# Altium PCB PrototypeSingle.PcbDoc (part 1 of 3) (continued)
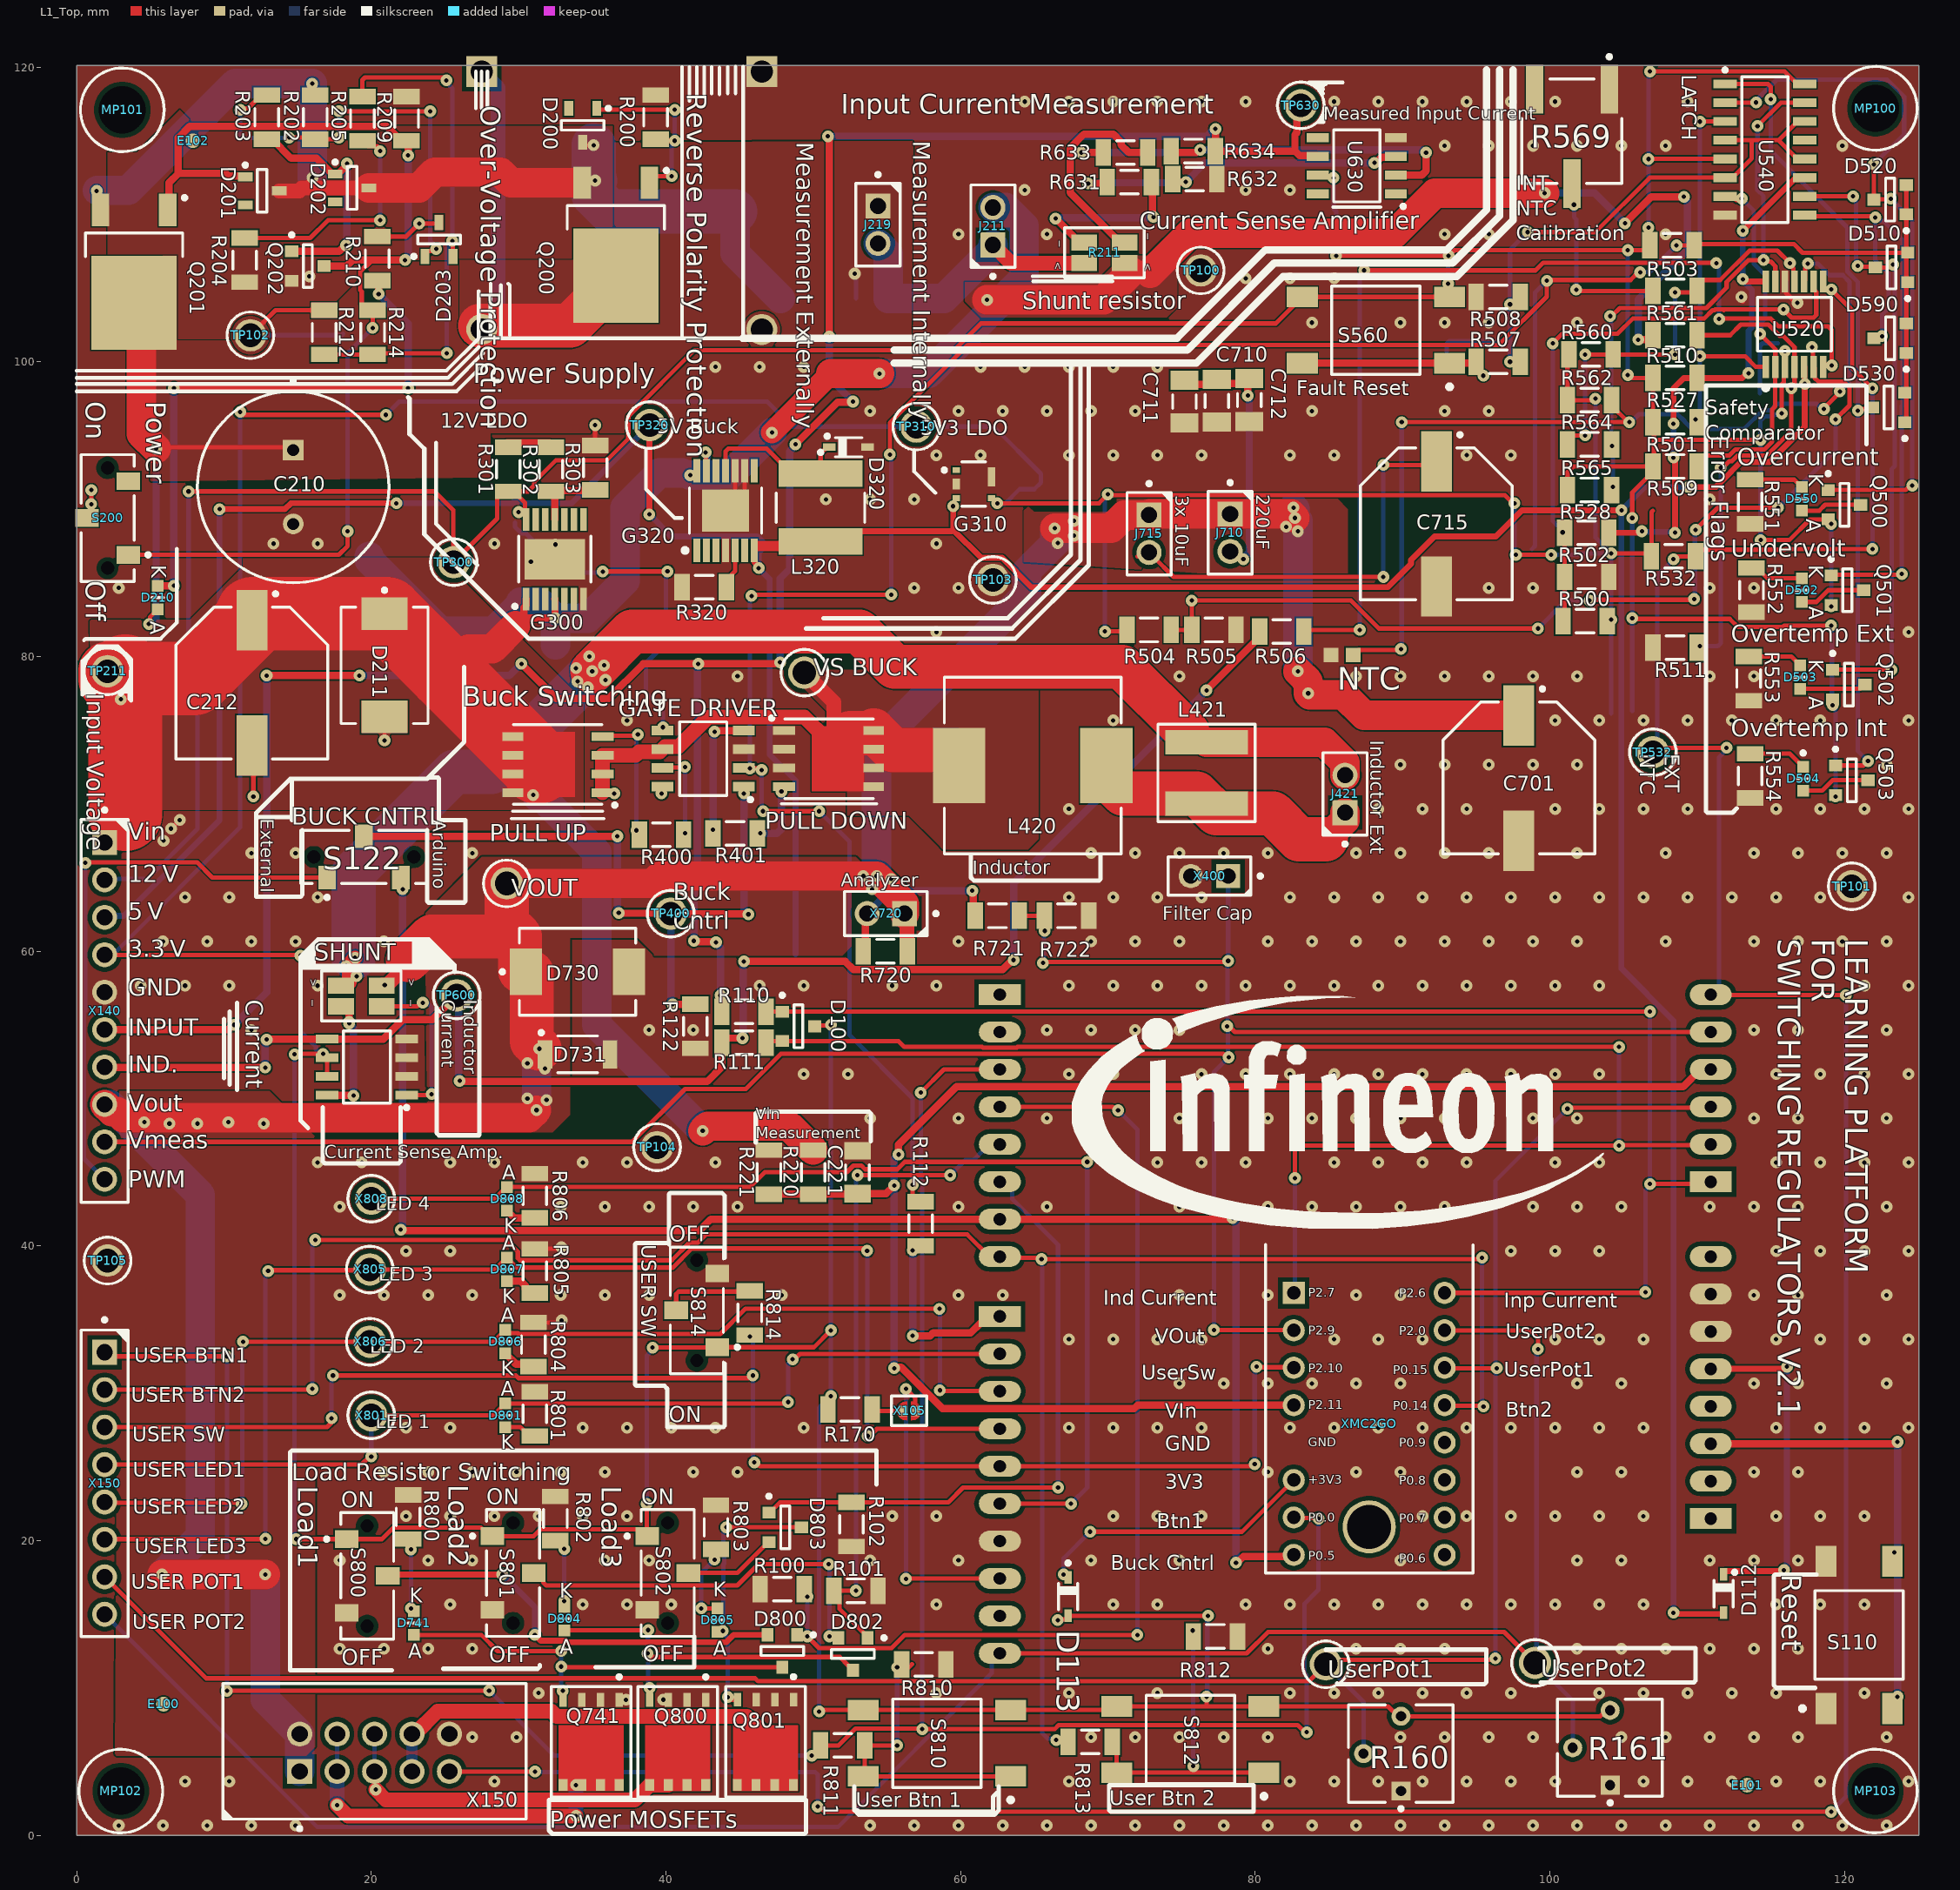
[diagram p0: L1_Top view]
## Components (designator, comment, footprint, x,y, rotation, side; value= is the part's Value field where it differs from the comment)
C210 "1mF" CAPPRD500W60D1300H2700B 14.701,91.499 r270 top
C212 "220uF" CAPAE1030X1050N-3 11.901,78.199 r270 top
C213 "10uF" CAPC3216X190N-1 21.301,86.799 r180 bottom
C220 "100nF" CAPC3216X125N-0 2.101,75.199 r270 bottom
C221 "1nF" CAPC3216X95N 53.001,44.999 r270 top
C300 "100nF" CAPC3216X125N-0 28.7,83.7 r0 bottom
C301 "2.2uF" CAPC3216X70N 28.301,89.099 r0 bottom
C310 "100nF" CAPC3216X125N-0 60.301,88.949 r90 bottom
C311 "2.2uF" CAPC3216X70N 62.701,88.899 r90 bottom
C312 "2.2uF" CAPC3216X70N 64.001,92.099 r0 bottom
C320 "100nF" CAPC3216X125N-0 41.101,93.899 r270 bottom
C321 "10uF" CAPC3216X190N-1 43.501,93.849 r270 bottom
C324 "10uF" CAPC3216X190N-1 48.1,87.4 r180 bottom
C400 "100nF" CAPC3216X125N-0 39.801,76.799 r270 bottom
C401 "100nF" CAPC3216X125N-0 17.001,51.429 r90 bottom
C402 "100nF" CAPC3216X125N-0 38.301,70.599 r0 bottom
C404 "10uF" CAPC3216X190N-1 31.301,68.999 r90 bottom
C500 "100nF" CAPC3216X125N-0 94.451,99.799 r180 bottom
C505 "100nF" CAPC3216X125N-0 117.413,102.449 r270 bottom
C506 "2.2uF" CAPC3216X70N 120.951,99.699 r180 bottom
C520 "100nF" CAPC3216X125N-0 114.013,101.249 r180 bottom
C521 "1nF" CAPC3216X95N 115.913,96.849 r90 bottom
C522 "1nF" CAPC3216X95N 117.813,96.899 r90 bottom
C530 "100nF" CAPC3216X125N-0 114.263,103.549 r0 bottom
C533 "100nF" CAPC3216X125N-0 120.713,104.649 r180 bottom
C540 "100nF" CAPC3216X125N-0 112.813,97.849 r0 bottom
C560 "100nF" CAPC3216X125N-0 115.913,107.749 r270 bottom
C561 "100nF" CAPC3216X125N-0 117.813,108.199 r270 bottom
C630 "100nF" CAPC3216X125N-0 84.301,110.999 r90 bottom
C700 "10uF" CAPC3216X190N-1 20.801,56.159 r90 bottom
C701 "220uF" CAPAE1030X1050N-3 97.9,71.75 r270 top
C710 "10uF" CAPC3216X190N-1 77.401,97.349 r90 top
C711 "10uF" CAPC3216X190N-1 75.201,97.299 r90 top
C712 "10uF" CAPC3216X190N-1 79.601,97.399 r90 top
C715 "220uF" CAPAE1030X1050N-3 92.301,88.999 r270 top
C811 "100nF" CAPC3216X125N-0 52,6.1 r180 bottom
C813 "100nF" CAPC3216X125N-0 68.8,6.5 r180 bottom
C814 "100nF" CAPC3216X125N-0 45.7,35.45 r270 bottom
"Current Sense Amp." "TSC2010HYDT" SOIC127P600X175-8N-16 19.701,52.134 r180 top (schematic designator U421)
D100 "BAT54-05" SOT95P240X110-3N-1-V 49.001,54.899 r0 top
D112 "BAS3010A-03W" SOD2513X110N 111.8,16.4 r270 top
D113 "BAS3010A-03W" SOD2513X110N 67.3,16.2 r270 top
D200 "12V" SOT95P230X110-3N 34.351,116.049 r270 top
D201 "12V" SOT95P230X110-3N 12.6,111.6 r0 top
D202 "12V" SOT95P230X110-3N 18.7,111.8 r0 top
D203 "ATL431AQDBZR" SOT95P237X112-3N-1 24.6,108.3 r90 top
D210 "Red" LEDSC160X80X80-2N-1 5.501,83.999 r270 top
D211 "SMDJ20A" DIOM7959X262N 20.901,79.399 r270 top
D320 "BAS3010A-03W" SOD2513X110N 52.401,94.199 r0 top
D502 "Red" LEDSC160X80X80-2N-1 117.101,84.499 r270 top
D503 "Red" LEDSC160X80X80-2N-1 117.001,78.599 r270 top
D504 "Red" LEDSC160X80X80-2N-1 117.201,71.699 r270 top
D510 "BAT54-05" SOT95P240X110-3N-1-V 123.201,106.399 r180 top
D520 "BAT54-05" SOT95P240X110-3N-1-V 123.101,110.999 r180 top
D530 "BAT54-05" SOT95P240X110-3N-1-V 123.001,96.899 r180 top
D550 "Red" LEDSC160X80X80-2N-1 117.101,90.699 r270 top
D590 "BAT54-05" SOT95P240X110-3N-1-V 123.101,101.599 r180 top
D730 "SMC5K40A-M3/I" DIOM7959X262N 34.001,58.599 r0 top
D731 "PMEG6030ETPX" SODFL4725X110N 34.001,52.999 r0 top
D741 "Red" LEDSC160X80X80-2N-1 22.9,14.4 r270 top
D800 "BAT54-05" SOT95P240X110-3N-1-V 47.9,12.5 r270 top
D801 "Red" LEDSC160X80X80-2N-1 29.1,28.5 r90 top
D802 "BAT54-05" SOT95P240X110-3N-1-V 52.7,12.3 r270 top
D803 "BAT54-05" SOT95P240X110-3N-1-V 48.1,20.9 r0 top
D804 "Red" LEDSC160X80X80-2N-1 33.1,14.7 r270 top
D805 "Red" LEDSC160X80X80-2N-1 43.5,14.6 r270 top
D806 "Red" LEDSC160X80X80-2N-1 29.1,33.5 r90 top
D807 "Red" LEDSC160X80X80-2N-1 29.2,38.4 r90 top
D808 "Red" LEDSC160X80X80-2N-1 29.2,43.2 r90 top
E100 "" fiducial 5.9,8.9 r270 top
E101 "" fiducial 113.4,3.4 r0 top
E102 "" fiducial 7.901,114.999 r180 top
G300 "TLT807B0EPV" SOP65P600X115-15N 32.451,86.599 r90 top
G310 "TLE4295G V33" IFX-PG-SCT595-5-2 60.901,91.699 r0 top
G320 "TLF50211EL" SOP65P600X170-15N 44.051,89.899 r90 top
"GATE DRIVER" "Value" SOIC127P600X172-8N-1-V 42.536,73.064 r180 top value=2ED2184S06F (schematic designator U400)
J211 "61300211121" CON-M-THT-61300211121 62.2,109.2 r90 top
J219 "61300211121" CON-M-THT-61300211121 54.4,109.3 r270 top
J421 "61300211121" CON-M-THT-61300211121 86.1,70.67 r90 top
J710 "61300211121" CON-M-THT-61300211121 78.3,88.4 r270 top
J715 "61300211121" CON-M-THT-61300211121 72.8,88.33 r270 top
L320 "22uH" IND-SMD-74404064220 50.501,90.099 r270 top
L420 "27uH" INDM120120X1000N 64.901,72.599 r0 top
L421 "15uH" IND-SMD-SRP6060FA 76.7,72.1 r90 top
MP100 "0082 3 16" "SCREW_0082 3 16_NPTH" 122.101,117.199 r180 top
MP101 "0082 3 16" "SCREW_0082 3 16_NPTH" 3.101,117.099 r0 top
MP102 "0082 3 16" "SCREW_0082 3 16_NPTH" 3,3 r0 top
MP103 "0082 3 16" "SCREW_0082 3 16_NPTH" 122.1,3 r0 top
NTC "10k" RESC1608X95N-1 85.9,80.1 r0 top (schematic designator R563)
"PULL DOWN" "igfet_n_ch_enh_dio_1s2s3s4g5d6d7d8d_8p" INF-PG-PQFN-5X6BEG 51.056,73.064 r0 top value=IRFH5406TRPbF (schematic designator Q401)
"PULL UP" "igfet_n_ch_enh_dio_1s2s3s4g5d6d7d8d_8p" INF-PG-PQFN-5X6BEG 32.656,72.664 r180 top value=IRFH5406TRPbF (schematic designator Q400)
Q200 "IPD650P06NM" TO228P998X250-3N-V2 36.601,108.999 r270 top
Q201 "IPD650P06NM" TO228P998X250-3N-V2 3.9,107.15 r270 top
Q202 "ISS17EP06LM" SOT95P240X110-3N-1-V 15.7,106.5 r0 top
Q500 "ISS17EP06LM" SOT95P240X110-3N-1-V 120.001,90.299 r0 top
Q501 "ISS17EP06LM" SOT95P240X110-3N-1-V 120.201,84.499 r0 top
Q502 "ISS17EP06LM" SOT95P240X110-3N-1-V 120.301,78.099 r0 top
Q503 "ISS17EP06LM" SOT95P240X110-3N-1-V 120.501,71.599 r0 top
Q741 "igfet_n_ch_enh_dio_1s2s3s4g5d6d7d8d_8p" IFX-PG-TDSON-8-6-V 34.923,6.3 r270 top value=BSC0906NS
Q800 "igfet_n_ch_enh_dio_1s2s3s4g5d6d7d8d_8p" IFX-PG-TDSON-8-6-V 40.8,6.3 r270 top value=BSC0906NS
Q801 "igfet_n_ch_enh_dio_1s2s3s4g5d6d7d8d_8p" IFX-PG-TDSON-8-6-V 46.758,6.306 r270 top value=BSC0906NS
R100 "100k" RESC3216X60N 47.9,16.7 r180 top
R101 "100k" RESC3216X60N 52.9,16.6 r0 top
R102 "100k" RESC3216X60N 52.6,21.1 r270 top
R110 "47k" RESC3216X60N 45.301,55.899 r180 top
R111 "47k" RESC3216X60N 45.301,53.799 r180 top
R112 "47k" RESC3216X60N 57.3,41.5 r270 top
R122 "100k" RESC3216X60N 42,54.9 r270 top
R160 "10k" POT-THT-3362P 88.63,5.54 r90 top
R161 "10k" POT-THT-3362P 102.83,5.94 r90 top
R170 "20.5R" RESC3216X60N 52.5,28.9 r180 top
R200 "47k" RESC3216X60N 39.301,116.599 r270 top
R202 "47k" RESC3216X60N 16.201,116.599 r90 top
R203 "47k" RESC3216X60N 12.901,116.599 r90 top
R204 "100k" RESC3216X60N 11.4,106.9 r90 top
R205 "47k" RESC3216X60N 19.401,116.499 r270 top
R209 "47k" RESC3216X60N 22.401,116.499 r270 top
R210 "17.8k" RESC3216X60N 20.4,107 r90 top
R211 "15mR" RES-SMD-L4T12 69.775,107.4 r180 top
R212 "17.8k" RESC3216X60N 16.801,101.999 r90 top
R214 "1MEG" RESC3216X60N 20.101,101.999 r90 top
R219 "PMR18EZPJV1L0" RESC3216X59N 54,104.3 r0 bottom
R220 "17.8k" RESC3216X60N 50.001,44.999 r270 top
R221 "2.2k" RESC3216X60N 47.001,44.999 r90 top
R301 "17.8k" RESC3216X60N 29.301,92.699 r90 top
R302 "2.2k" RESC3216X60N 32.201,92.699 r90 top
R303 "2.2k" RESC3216X60N 35.201,92.809 r270 top
R320 "47k" RESC3216X60N 42.601,84.699 r180 top
R400 "20.5R" RESC3216X60N 39.701,67.899 r0 top
R401 "20.5R" RESC3216X60N 44.701,67.999 r180 top
R500 "4.7k" RESC3216X60N 102.401,82.399 r0 top
R501 "4.7k" RESC3216X60N 108.501,95.899 r180 top
R502 "4.7k" RESC3216X60N 102.501,85.399 r180 top
R503 "4.7k" RESC3216X60N 108.301,107.899 r180 top
R504 "17.8k" RESC3216X60N 72.801,81.799 r180 top
R505 "64.9k" RESC3216X60N 77.201,81.799 r180 top
R506 "100k" RESC3216X60N 81.801,81.699 r0 top
R507 "100k" RESC3216X60N 96.501,99.999 r180 top
R508 "2.2k" RESC3216X60N 96.501,104.399 r180 top
R509 "4.7k" RESC3216X60N 108.501,92.899 r180 top
R510 "17.8k" RESC3216X60N 108.501,101.799 r0 top
R511 "17.8k" RESC3216X60N 108.501,80.599 r0 top
R527 "4.7k" RESC3216X60N 108.501,98.899 r180 top
R528 "100k" RESC3216X60N 102.501,88.399 r180 top
R532 "4.7k" RESC3216X60N 108.401,86.799 r180 top
R551 "17.8k" RESC3216X60N 113.601,90.499 r270 top
R552 "17.8k" RESC3216X60N 113.701,84.499 r90 top
R553 "17.8k" RESC3216X60N 113.501,78.499 r90 top
R554 "17.8k" RESC3216X60N 113.601,71.899 r270 top
R560 "17.8k" RESC3216X60N 102.801,100.499 r0 top
R561 "4.7k" RESC3216X60N 108.501,104.799 r0 top
R562 "4.7k" RESC3216X60N 102.701,97.399 r180 top
R564 "47k" RESC3216X60N 102.701,94.399 r180 top
R565 "4.7k" RESC3216X60N 102.701,91.299 r180 top
R569 "10k" POT-SMD-3361P 101.501,115.299 r270 top
R631 "1.3k" RESC3216X60N 71.461,112.2 r180 top
R632 "64.9k" RESC3216X60N 75.9,112.4 r0 top
R633 "1.3k" RESC3216X60N 71.2,114.2 r180 top
R634 "64.9k" RESC3216X60N 75.8,114.3 r0 top
R720 "20.5R" RESC3216X60N 54.9,60 r0 top
R721 "17.8k" RESC3216X60N 62.501,62.399 r180 top
R722 "2.2k" RESC3216X60N 67.2,62.4 r0 top
R800 "2.2k" RESC3216X60N 22.5,21.6 r90 top
R801 "2.2k" RESC3216X60N 31.1,28.6 r90 top
R802 "2.2k" RESC3216X60N 32.5,21.5 r90 top
R803 "2.2k" RESC3216X60N 43.4,20.9 r90 top
R804 "2.2k" RESC3216X60N 31,33.3 r90 top
R805 "2.2k" RESC3216X60N 31.1,38.3 r90 top
R806 "2.2k" RESC3216X60N 31.1,43.4 r90 top
R810 "4.7k" RESC3216X60N 57.5,11.6 r0 top
R811 "64.9k" RESC3216X60N 52,6.1 r180 top
R812 "4.7k" RESC3216X60N 77.3,13.5 r0 top
R813 "64.9k" RESC3216X60N 68.8,6.336 r180 top
R814 "17.8k" RESC3216X60N 45.7,35.45 r270 top
S110 "1301.9314" SW-SMD-1301.9314 121,13.6 r90 top
S122 "CL-SB-12A-01T" SW-SMD-CL-SB-12A-01T 19.501,66.399 r90 top
S200 "CL-SB-12A-01T" SW-SMD-CL-SB-12A-01T 2.101,89.399 r180 top
S560 "1301.9314" SW-SMD-1301.9314 88.201,102.149 r180 top
S800 "CL-SB-12A-01T" SW-SMD-CL-SB-12A-01T 19.723,17.6 r0 top
S801 "CL-SB-12A-01T" SW-SMD-CL-SB-12A-01T 29.623,17.8 r0 top
S802 "CL-SB-12A-01T" SW-SMD-CL-SB-12A-01T 40.123,17.8 r0 top
S810 "1301.9314" SW-SMD-1301.9314 58.4,6.25 r180 top
S812 "1301.9314" SW-SMD-1301.9314 75.6,6.5 r180 top
S814 "CL-SB-12A-01T" SW-SMD-CL-SB-12A-01T 42.1,35.623 r180 top
SHUNT "15mR" RES-SMD-L4T12 19.326,56.959 r0 top (schematic designator R420)
TP100 "5011" CON-THT-TP-5011 76.301,106.199 r90 top
TP101 "5011" CON-THT-TP-5011 120.5,64.4 r180 top
TP102 "5011" CON-THT-TP-5011 11.8,101.8 r0 top
TP103 "5011" CON-THT-TP-5011 62.201,85.199 r270 top
TP104 "5011" CON-THT-TP-5011 39.4,46.7 r270 top
TP105 "5011" CON-THT-TP-5011 2.1,39 r90 top
TP211 "5010" CON-THT-TP-5010 2.101,78.999 r270 top
TP300 "5010" CON-THT-TP-5010 25.6,86.4 r90 top
TP310 "5010" CON-THT-TP-5010 57.001,95.599 r90 top
TP320 "5010" CON-THT-TP-5010 38.901,95.699 r90 top
TP400 "5010" CON-THT-TP-5010 40.331,62.549 r270 top
TP532 "5010" CON-THT-TP-5010 107.001,73.499 r90 top
TP600 "5010" CON-THT-TP-5010 25.801,56.999 r90 top
TP630 "5010" CON-THT-TP-5010 83.101,117.399 r90 top
U520 "LM339PWR" SOP65P640X120-14N-1 116.613,102.549 r90 top
U540 "HEF4043BT,653" SOIC127P600X175-16N-6 114.601,114.399 r0 top
U630 "OPA197IDR" SOIC127P600X175-8N-23 86.901,113.299 r180 top
UserPot1 "5010" CON-THT-TP-5010 84.8,11.6 r180 top (schematic designator TP160)
UserPot2 "5010" CON-THT-TP-5010 99,11.7 r90 top (schematic designator TP161)
VOUT "5010" CON-THT-TP-5010 29.201,64.599 r0 top (schematic designator TP431)
"VS BUCK" "5010" CON-THT-TP-5010 49.401,78.899 r0 top (schematic designator TP401)
X100 "973 582-101" "CON-THT-973 582- 101" 27.501,110.949 r270 bottom
X101 "973 582-100" "CON-THT-973 582- 100" 46.509,110.941 r270 bottom
X105 "Solder Jumper 2 Pins" SOLDER_BRIDGE_0.7X1.299PAD 56.517,28.8 r180 top
X110 "Arduino-Uno" Arduino-Uno 86.8,34.7 r90 bottom locked
X140 "TSW-110-07-L-S" CON-M-THT-TSW-110-07-L-S 1.901,55.949 r270 top
X150 "TSW-108-07-L-S" CON-M-THT-TSW-108-07-L-S 1.9,23.89 r270 top
X150 "61201021621" CON-M-THT-61201021621 20.223,5.6 r90 top (schematic designator 190)
X400 "SSW-102-01-G-S" CON-F-THT-SSW-102-01-G-S 76.9,65.1 r180 top
X720 "61300211121" CON-M-THT-61300211121 54.931,62.549 r180 top
X801 "5010" CON-THT-TP-5010 20,28.5 r0 top
X805 "5010" CON-THT-TP-5010 19.9,38.4 r0 top
X806 "5010" CON-THT-TP-5010 19.9,33.5 r0 top
X808 "5010" CON-THT-TP-5010 20,43.2 r0 top
XMC2GO "IFX_KIT_XMC_2GO_XMC1100_V1" IFX-THT-KIT_XMC_2GO_XMC1100_V1 86.8,32.5 r0 top

## Footprints (in the part's own frame and the unit in brackets; to place one, negate y for a bottom-side part, rotate by r counter-clockwise, add the part's x,y. Pads: shape width x height; smd on the part's side, far side on the other; paste and mask are expansions set on the pad)
Arduino-Uno [mm] "Arduino-Uno, THT, 32 Pin, 68.58 mm L X 53.34 mm W X 8.64 mm H body"
  rect 1.422x2.845 hole 0.85 paste+0 mask+0: 1A(-13.208,24.13) 1B(9.652,24.13) 1C(0.508,-24.13) 1D(22.352,-24.13)
  oval 1.422x2.845 hole 0.85 paste+0 mask+0: 2A(-10.668,24.13) 2B(12.192,24.13) 2C(-2.032,-24.13) 2D(19.812,-24.13) 3A(-8.128,24.13) 3B(14.732,24.13) 3C(-4.572,-24.13) 3D(17.272,-24.13) 4A(-5.588,24.13) 4B(17.272,24.13) 4C(-7.112,-24.13) 4D(14.732,-24.13) 5A(-3.048,24.13) 5B(19.812,24.13) 5C(-9.652,-24.13) 5D(12.192,-24.13) 6A(-0.508,24.13) 6B(22.352,24.13) 6C(-12.192,-24.13) 6D(9.652,-24.13) 7A(2.032,24.13) 7C(-14.732,-24.13) 7D(7.112,-24.13) 8A(4.572,24.13) 8C(-17.272,-24.13) 8D(4.572,-24.13) 9C(-19.812,-24.13) 10C(-22.352,-24.13)
CAPAE1030X1050N-3 [mm] "Capacitor,Aluminum Electrolytic;10.30mm L X 10.30mm W X 10.50mm H"
  rect 4.1x2.1 smd paste+0 mask+0: 1(-4.25,0) 2(4.25,0)
  silkscreen extent -6.17,-5.15 5.15,5.15, body extent -5.5,-5.15 5.5,5.15, height 10.5
CAPC3216X70N [mm] "Capacitor,non-polarized,Chip;3.20mm L X 1.60mm W X 0.70mm H"
  rect 1.2x1.8 smd paste+0 mask+0: 1(-1.45,0) 2(1.45,0)
  silkscreen extent -0.5,-0.8 0.5,0.8, body extent -1.6,-0.8 1.6,0.8, height 0.7
CAPC3216X95N [mm] "Capacitor,non-polarized,Chip;3.20mm L X 1.60mm W X 0.95mm H"
  rect 1.2x1.8 smd paste+0 mask+0: 1(-1.45,0) 2(1.45,0)
  silkscreen extent -0.5,-0.8 0.5,0.8, body extent -1.6,-0.8 1.6,0.8, height 0.95
CAPC3216X125N-0 [mm] "Capacitor,non-polarized,Chip;3.20mm L X 1.60mm W X 1.25mm H"
  rect 1.2x1.8 smd paste+0 mask+0: 1(-1.45,0) 2(1.45,0)
  silkscreen extent -0.5,-0.8 0.5,0.8, body extent -1.6,-0.8 1.6,0.8, height 1.25
CAPC3216X190N-1 [mm] "Capacitor,non-polarized,Chip;3.20mm L X 1.60mm W X 1.90mm H"
  rect 1.3x1.9 smd paste+0 mask+0: 1(-1.45,0) 2(1.45,0)
  silkscreen extent -0.45,-0.8 0.45,0.8, body extent -1.6,-0.8 1.6,0.8, height 1.9
CAPPRD500W60D1300H2700B [mm] "Capacitor,polarized,Radial;5.00mm C X 0.60mm W 13.00mm Dia X 27.00mm H"
  rect 1.4x1.4 hole 0.8 mask+0: 1(-2.5,0)
  round 1.4 hole 0.8 mask+0: 2(2.5,0)
  silkscreen extent -7.27,-6.5 6.5,6.5, body extent -6.75,-6.75 6.75,6.75, height 27
CON-F-THT-SSW-102-01-G-S [mm] "Header, THT, 2.54mm pitch, 2 pin, 5.59mm L X 2.41mm W X 8.64mm H body"
  rect 1.64x1.64 hole 1.04 paste+0 mask+0: 1(-1.27,0)
  round 1.64 hole 1.04 paste+0 mask+0: 2(1.27,0)
  silkscreen extent -3.58,-1.3 2.8,1.3, body extent -2.79,-1.21 2.79,1.21, height 8.51
CON-M-THT-61201021621 [mm] "Connector, THT, 2.54mm Pitch; 10 Pins, 9.10 mm L X 20.36 mm W X 9.25 mm H body"
  rect 1.7x1.7 hole 1.1 paste+0 mask+0: 1(-1.27,5.08)
  round 1.7 hole 1.1 paste+0 mask+0: 2(1.27,5.08) 3(-1.27,2.54) 4(1.27,2.54) 5(-1.27,0) 6(1.27,0) 7(-1.27,-2.54) 8(1.27,-2.54) 9(-1.27,-5.08) 10(1.27,-5.08)
  silkscreen extent -5.27,-10.3 4.7,10.3, body extent -4.46,-10.18 4.71,10.18, height 9.1
CON-M-THT-61300211121 [mm] "Header, Vertical, 2.54mm Pitch; 2 Pins, Single row, 5.08mm L X 2.54mm W X 8.89mm H body"
  rect 1.7x1.7 hole 1.1 paste+0 mask+0: 1(-1.27,0)
  round 1.7 hole 1.1 paste+0 mask+0: 2(1.27,0)
  silkscreen extent -3.52,-1.5 2.8,1.5, body extent -2.54,-1.27 2.54,1.27, height 8.54
CON-M-THT-TSW-108-07-L-S [mm] "Header,vertical,2.54mm pitch;0.64mm lead width,8 pins,1 row,8 pins per row,20.32mm L X 2.54mm W X 8.636mm H body"
  rect 1.7x1.7 hole 1.1 paste+0 mask+0: 1(-8.89,0)
  round 1.7 hole 1.1 paste+0 mask+0: 2(-6.35,0) 3(-3.81,0) 4(-1.27,0) 5(1.27,0) 6(3.81,0) 7(6.35,0) 8(8.89,0)
  silkscreen extent -11.21,-1.6 10.4,1.6, body extent -10.29,-1.27 10.16,1.27, height 8.38
CON-M-THT-TSW-110-07-L-S [mm] "Header,vertical,2.54mm pitch;0.64mm lead width,10 pins,1 row,10 pins per row,25.40mm L X 2.54mm W X 8.636mm H body"
  rect 1.7x1.7 hole 1.1 paste+0 mask+0: 1(-11.43,0)
  round 1.7 hole 1.1 paste+0 mask+0: 2(-8.89,0) 3(-6.35,0) 4(-3.81,0) 5(-1.27,0) 6(1.27,0) 7(3.81,0) 8(6.35,0) 9(8.89,0) 10(11.43,0)
  silkscreen extent -13.75,-1.6 13,1.6, body extent -12.83,-1.27 12.7,1.27, height 8.38
"CON-THT-973 582- 100" [mm] "Banana Jack, 2 pins, 17.5mm Pitch, 21mm L X 7.5mm W X 10.5mm H body"
  rect 2.1x2.1 hole 1.5 paste+0 mask+0: 1(-8.75,0)
  round 2.1 hole 1.5 paste+0 mask+0: 2(8.75,0)
  silkscreen extent -9.2,-4.25 11.8,3.75, body extent -9.2,-4.25 11.8,3.75, height 10.5
"CON-THT-973 582- 101" [mm] "Banana Jack, 2 pins, 17.5mm Pitch, 21mm L X 7.5mm W X 10.5mm H body"
  rect 2.1x2.1 hole 1.5 paste+0 mask+0: 1(-8.75,0)
  round 2.1 hole 1.5 paste+0 mask+0: 2(8.75,0)
  silkscreen extent -9.2,-4.25 11.8,3.75, body extent -9.2,-4.25 11.8,3.75, height 10.5
CON-THT-TP-5010 [mm] "Test Point, 1.78 mm Lead Width, Round, 3.17 mm Dia X 8.28 mm H body"
  round 2.2 hole 1.6 paste+0 mask+0: 1(0,0)
  silkscreen extent -1.58,-1.59 1.58,1.59, body extent -1.59,-1.59 1.59,1.59, height 8.13
CON-THT-TP-5011 [mm] "Test Point, 1.78 mm Lead Width, Round, 3.17 mm Dia X 8.28 mm H body"
  round 2.2 hole 1.6 paste+0 mask+0: 1(0,0)
  silkscreen extent -1.58,-1.59 1.58,1.59, body extent -1.59,-1.59 1.59,1.59, height 8.13
DIOM7959X262N [mm] "Diode,Molded Body;7.94mm L X 5.905mm W X 2.62mm H"
  rect 2.2x3.15 smd paste+0 mask+0: 1(-3.5,0) 2(3.5,0)
  silkscreen extent -5.22,-2.95 3.95,2.95, body extent -3.97,-2.95 3.97,2.95, height 2.62
fiducial [mm] "Fiducial Marker For PCB, 1mm"
  round 1 smd paste-0.5 mask+1: 1(0,0)
IFX-PG-SCT595-5-2 [mm] "PG-SCT595-5-2; 5 pin, 1.60 mm L X 2.90 mm W X 1.1 mm H body"
  rect 0.5x0.4 smd paste+0 mask+0: 1(-1.2,0.95) 3(-1.2,-0.95) 4(1.2,-0.95)
  rect 0.5x0.75 smd paste+0 mask+0: 2(-1.2,0)
  rect 0.5x1.3 smd paste+0 mask+0: 5(1.2,0.5)
  silkscreen extent -2.12,-1.5 0.8,1.5, body extent -1.25,-1.45 1.25,1.45, height 1.11
IFX-PG-TDSON-8-6-V [mm] "PG-TDSON-8-6, SMD, 1.27 mm pitch, 8 pin, 5.90 mm W X 5.075 mm L X 1.20 mm H body"
  rect 0.925x0.5 smd paste-0.05 mask+0: 1(-2.894,1.905) 2(-2.894,0.635) 3(-2.894,-0.635) 4(-2.894,-1.905)
  rect 0.8x0.6 smd paste-0.3 mask-0.3: 5(2.894,-1.905) 6(2.894,-0.635) 7(2.894,0.635) 8(2.894,1.905)
  L1_Top region: -1.161,2.205 3.294,2.205 3.294,-2.205 -1.161,-2.205
  silkscreen extent -4.57,-2.7 3.7,2.7, body extent -3.11,-2.69 3.04,2.7, height 1.01
IFX-THT-KIT_XMC_2GO_XMC1100_V1 [mm] "Module, THT, 21 pin, 14.00 mm L X 38.50 mm W X 5.08 mm H body"
  rect 1.5x1.5 hole 0.9 paste+0 mask+0: 1(-4.18,4.31)
  round 1.5 hole 0.9 paste+0 mask+0: 2(-4.18,1.77) 3(-4.18,-0.77) 4(-4.18,-3.31) 6(-4.18,-8.39) 7(-4.18,-10.93) 8(-4.18,-13.47) 9(6.06,-13.47) 10(6.06,-10.93) 11(6.06,-8.39) 12(6.06,-5.85) 13(6.06,-3.31) 14(6.06,-0.77) 15(6.06,1.77) 16(6.06,4.31)
  round 3.6 hole 3 paste+0 mask+0: ""(0.94,-11.57)
  silkscreen extent -6.1,-14.7 8,7.6
IND-SMD-74404064220 [mm] "Inductor; 2 pin, 6.00 mm L X 6.00 mm W X 4.50 mm H Body"
  rect 1.8x5.7 smd mask+0: 1(-2.3,0) 2(2.3,0)
  silkscreen extent -3.87,-3 1,3, body extent -3,-3 3,3, height 4.5
IND-SMD-SRP6060FA [mm] "Inductor, SMD, 2 pin, 6.40 mm L X 6.60 mm W X 6.00 mm H body"
  rect 1.65x5.6 smd paste+0 mask+0: 1(-2.075,0) 2(2.075,0)
  silkscreen extent -3.3,-3.3 3.3,3.3, body extent -3.2,-3.3 3.2,3.3, height 5.86
INDM120120X1000N [mm] "Inductor,Molded Body;12.00mm L X 12.00mm W X 10.00mm H"
  rect 3.55x5.1 smd paste+0 mask+0: 1(-5,0) 2(5,0)
  silkscreen extent -6,-6 6,6, body extent -6,-6 6,6, height 10.36
INF-PG-PQFN-5X6BEG [mm] "Pullback Quad Flat No-Lead (PQFN); 4 pin, 6.00 mm L X 5.00 mm W X 0.90 mm H body"
  rect 1.5x0.6 smd paste-0.3 mask+0: 1(-3.045,1.905) 2(-3.045,0.635) 3(-3.045,-0.635) 4(-3.045,-1.905)
  rect 1.4x0.6 smd paste-0.3 mask+0: 5(3.045,-1.905) 6(3.045,-0.635) 7(3.045,0.635)
  rect 1.4x0.6 smd paste-0.3 mask-0.3: 8(3.045,1.905)
  L1_Top region: 3.745,2.205 -1.15,2.205 -1.15,-2.205 2.395,-2.205 2.395,1.605 3.745,1.605
  silkscreen extent -4,-2.7 3.01,2.88, body extent -3.03,-2.5 2.97,2.5, height 0.9
LEDSC160X80X80-2N-1 [mm] "LED,Side Concave; 2 pin,1.60mm W X 0.80mm L X 0.80mm H"
  rect 0.8x0.8 smd paste+0 mask+0: 1(-0.8,0) 2(0.8,0)
  silkscreen extent 0,-0.4 0,0.4, body extent -0.8,-0.4 0.8,0.4, height 0.7
POT-SMD-3361P [mm] "Potentiometer, SMD; 3 pin, 7.04 mm L X 6.71 mm W X 5.84 mm H Body"
  rect 3.3x1.19 smd paste+0 mask+0: 1(-3.2,2.54) 2(3.2,0) 3(-3.2,-2.54)
  silkscreen extent -5.52,-3.4 3.2,3.4, body extent -4.54,-3.35 3.99,3.35, height 5.23
POT-THT-3362P [mm] "Potentiometer, THT, 2.54 mm pitch, 3 pin, 6.60 mm L X 6.99 mm W X 15.06 mm H body"
  rect 1.29x1.29 hole 0.69 paste+0 mask+0: 1(-2.54,-1.27)
  round 1.29 hole 0.69 paste+0 mask+0: 2(0,1.27) 3(2.54,-1.27)
  silkscreen extent -3.86,-4.8 3.3,2.3, body extent -3.3,-4.8 3.3,2.19, height 14.63
RES-SMD-L4T12 [mm] "Resistor, SMD, 4 pin, 3.00 mm L X 1.60 mm W X 0.65 mm H body"
  rect 1.75x1.1 smd paste+0 mask+0: 1(-1.375,0.7) 2(1.375,0.7) 3(-1.375,-0.7) 4(1.375,-0.7)
  silkscreen extent -2.7,-1.7 2.7,1.7, body extent -1.5,-0.8 1.5,0.8, height 0.65
RESC1608X95N-1 [mm] "Resistor,Chip;1.60mm L X 0.80mm W X 0.95mm H"
  rect 1x1 smd paste+0 mask+0: 1(-0.75,0) 2(0.75,0)
  body extent -0.8,-0.4 0.8,0.4, height 0.95
RESC3216X59N [mm]
  rect 1.85x1.8 smd: 1(-1.1,0) 2(1.1,0)
  body extent -1.6,-0.8 1.6,0.8, height 0.59
RESC3216X60N [mm]
  rect 1.05x1.8 smd paste+0 mask+0: 1(-1.5,0) 2(1.5,0)
  silkscreen extent -0.6,-0.8 0.6,0.8, body extent -1.6,-0.8 1.6,0.8, height 0.55
"SCREW_0082 3 16_NPTH" [mm] "M3 Cheese Head Screw X 5.68mm Head"
  round 0 hole 3.2 unplated paste+0 mask+0: ""(0,0)
  silkscreen extent -2.84,-2.84 2.84,2.84, body extent -2.84,-2.84 2.84,2.84, height 3
SOD2513X110N [mm] "SOD;1.75mm W X 1.30mm L X 1.10mm H body"
  rect 0.85x0.5 smd paste+0 mask+0: 1(-1.3,0) 2(1.3,0)
  silkscreen extent -1.57,-0.65 0.9,0.88, body extent -0.87,-0.65 0.87,0.65, height 1.1
SODFL4725X110N [mm] "SODFL Diode;3.80mm W X 2.5mm L X 1.10mm H body"
  rect 1x1.93 smd paste+0 mask+0: 1(-2.21,0) 2(2.21,0)
  silkscreen extent -2.58,-1.25 1.35,1.59, body extent -2.35,-1.25 2.35,1.25, height 1.1
SOIC127P600X172-8N-1-V [mm] "SOIC,1.27mm pitch;8 pin,3.90mm W X 4.90mm L X 1.72mm H body"
  rect 1.47x0.65 smd paste+0 mask+0: 1(-2.765,1.905) 2(-2.765,0.635) 3(-2.765,-0.635) 4(-2.765,-1.905) 5(2.765,-1.905) 6(2.765,-0.635) 7(2.765,0.635) 8(2.765,1.905)
  silkscreen extent -3.32,-2.5 1.6,2.9, body extent -3,-2.45 3,2.45, height 1.73
SOIC127P600X175-8N-16 [mm] "SOIC,1.27mm pitch;8 pin,3.90mm W X 4.90mm L X 1.75mm H body"
  rect 1.55x0.6 smd paste+0 mask+0: 1(-2.7,1.905) 2(-2.7,0.635) 3(-2.7,-0.635) 4(-2.7,-1.905) 5(2.7,-1.905) 6(2.7,-0.635) 7(2.7,0.635) 8(2.7,1.905)
  silkscreen extent -2.83,-2.45 1.6,2.87, body extent -3,-2.45 3,2.45, height 1.75
SOIC127P600X175-8N-23 [mm] "SOIC,1.27mm pitch;8 pin,3.895mm W X 4.905mm L X 1.75mm H body"
  rect 1.5x0.6 smd paste+0 mask+0: 1(-2.65,1.905) 2(-2.65,0.635) 3(-2.65,-0.635) 4(-2.65,-1.905) 5(2.65,-1.905) 6(2.65,-0.635) 7(2.65,0.635) 8(2.65,1.905)
  silkscreen extent -3.27,-2.45 1.58,2.87, body extent -2.99,-2.45 2.99,2.45, height 1.75
SOIC127P600X175-16N-6 [mm] "SOIC,1.27mm pitch;16 pin,3.90mm W X 9.90mm L X 1.75mm H body"
  rect 1.6x0.6 smd paste+0 mask+0: 1(-2.7,4.445) 2(-2.7,3.175) 3(-2.7,1.905) 4(-2.7,0.635) 5(-2.7,-0.635) 6(-2.7,-1.905) 7(-2.7,-3.175) 8(-2.7,-4.445) 9(2.7,-4.445) 10(2.7,-3.175) 11(2.7,-1.905) 12(2.7,-0.635) 13(2.7,0.635) 14(2.7,1.905) 15(2.7,3.175) 16(2.7,4.445)
  silkscreen extent -2.82,-4.95 1.57,5.52, body extent -3,-4.95 3,4.95, height 1.75
SOLDER_BRIDGE_0.7X1.299PAD [mm] "Solder Bridge 2 Pins, 0.7X1.299mm Pad, 1.6mm L X 1.2mm W body"
  rect 0.58x0.708 smd paste-0.29 mask-0.29: 1(-0.417,0) 2(0.417,0)
  L1_Top region: -0.126,0.639 -0.178,0.65 -0.426,0.6 -0.637,0.459 -0.778,0.249 -0.827,0 -0.778,-0.249 -0.637,-0.459 -0.426,-0.6 -0.178,-0.65 -0.127,-0.639 -0.127,-0.635 -0.127,0.635
  L1_Top region: 0.126,0.639 0.178,0.65 0.426,0.6 0.637,0.459 0.778,0.249 0.827,0 0.778,-0.249 0.637,-0.459 0.426,-0.6 0.178,-0.65 0.127,-0.639 0.127,-0.635 0.127,0.635
  silkscreen extent -1.2,-1.02 1.2,1
SOP65P600X115-15N [mm] "SOP,0.65mm pitch;14 pin,3.90mm W X 4.90mm L X 1.15mm H body (w/thermal tab)"
  rect 1.55x0.45 smd paste+0 mask+0: 1(-2.7,1.95) 2(-2.7,1.3) 3(-2.7,0.65) 4(-2.7,0) 5(-2.7,-0.65) 6(-2.7,-1.3) 7(-2.7,-1.95) 8(2.7,-1.95) 9(2.7,-1.3) 10(2.7,-0.65) 11(2.7,0) 12(2.7,0.65) 13(2.7,1.3) 14(2.7,1.95)
  rect 2.75x4.1 smd paste+0 mask+0: 15(0,0)
  silkscreen extent -3.32,-2.45 1.55,2.82, body extent -3,-2.45 3,2.45, height 1.16
SOP65P600X170-15N [mm] "SOP,0.65mm pitch;14 pin,3.90mm W X 4.90mm L X 1.70mm H body (w/thermal tab)"
  rect 1.6x0.45 smd paste+0 mask+0: 1(-2.7,1.95) 2(-2.7,1.3) 3(-2.7,0.65) 4(-2.7,0) 5(-2.7,-0.65) 6(-2.7,-1.3) 7(-2.7,-1.95) 8(2.7,-1.95) 9(2.7,-1.3) 10(2.7,-0.65) 11(2.7,0) 12(2.7,0.65) 13(2.7,1.3) 14(2.7,1.95)
  rect 2.85x3.2 smd paste+0 mask+0: 15(0,0)
  silkscreen extent -2.85,-2.45 1.55,2.9, body extent -3,-2.45 3,2.45, height 1.71
SOP65P640X120-14N-1 [mm] "SOP,0.65mm pitch;14 pin,4.40mm W X 5.00mm L X 1.20mm H body"
  rect 1.5x0.45 smd paste+0 mask+0: 1(-2.9,1.95) 2(-2.9,1.3) 3(-2.9,0.65) 4(-2.9,0) 5(-2.9,-0.65) 6(-2.9,-1.3) 7(-2.9,-1.95) 8(2.9,-1.95) 9(2.9,-1.3) 10(2.9,-0.65) 11(2.9,0) 12(2.9,0.65) 13(2.9,1.3) 14(2.9,1.95)
  silkscreen extent -4.47,-2.5 1.83,2.5, body extent -3.05,-2.5 3.05,2.5, height 1.21
SOT95P230X110-3N [mm] "SOT,0.95mm pitch;3 pin,1.30mm W X 2.90mm L X 1.10mm H body"
  rect 1x0.6 smd paste+0 mask+0: 1(-1.15,0.95) 2(-1.15,-0.95) 3(1.15,0)
  silkscreen extent -1.27,-1.45 0.33,1.88, body extent -1.15,-1.45 1.15,1.45, height 1.11
SOT95P237X112-3N-1 [mm] "SOT,0.95mm pitch;3 pin,1.30mm W X 2.92mm L X 1.12mm H body"
  rect 1.05x0.6 smd paste+0 mask+0: 1(-1.15,0.95) 2(-1.15,-0.95) 3(1.15,0)
  silkscreen extent -1.27,-1.45 0.3,1.83, body extent -1.18,-1.46 1.18,1.46, height 1.12
SOT95P240X110-3N-1-V [mm] "SOT,0.95mm pitch;3 pin,1.30mm W X 2.90mm L X 1.10mm H body"
  rect 0.9x0.8 smd paste+0 mask+0: 1(-1.1,1) 2(-1.1,-1) 3(1.1,0)
  silkscreen extent -1.22,-1.45 0.3,2.23, body extent -1.21,-1.45 1.19,1.45, height 1.1
SW-SMD-1301.9314 [mm] "SMD Switch , 6.00mm L X 6.00mm W X 4.3mm H body"
  rect 2.1x1.4 smd paste+0 mask+0: 1(-5,2.25) 2(5,2.25) 3(-5,-2.25) 4(5,-2.25)
  silkscreen extent -5.15,-3 3,4, body extent -5,-3 5,3, height 4.3
SW-SMD-CL-SB-12A-01T [mm] "Switch, SMD, 3 Pins, 3.50 mm W X 8.50 mm L X 6.10 mm H body"
  rect 1.6x1.2 smd paste+0 mask+0: 1(-1.4,2.5) 2(1.4,0) 3(-1.4,-2.5)
  round 0 hole 0.9 unplated paste+0 mask+0: ""(0,3.4) ""(0,-3.4)
  silkscreen extent -2.87,-4.3 1.8,4.3, body extent -1.75,-4.25 1.75,4.25, height 5.5
TO228P998X250-3N-V2 [mm] "TO,2.28mm pitch;2 pin,9.98mm L X 6.50mm W X 2.50mm H body"
  rect 2.2x1.2 smd paste-0.05 mask+0: 1(-3.15,2.28) 3(-3.15,-2.28)
  rect 6.4x5.8 smd paste-2.9 mask+0: 2(3.15,0)
  silkscreen extent -4.11,-3.3 0,3.56, body extent -3.94,-3.25 6.04,3.25, height 2.36

## Part data
C210: library part 646789, "CAP / ELCO / 1mF / 35V / 20% / Aluminiumelectrolytic / -40°C to 105°C / 5.00mm C X 0.60mm W 13.00mm Dia X 27.00mm H / - / -", Manufacturer=Kemet, Package Description="Capacitor,polarized,Radial;5.00mm C X 0.60mm W 13.00mm Dia X 27.00mm H", Supplier Part Number 1=2835188, Temperature max=105, Temperature min=-40, Temperature Range=Industrial, Tolerance Neg=20%, Voltage DC (max)=35V, Alternate View=Yes, Application=Standard, Article Number=646789, Automotive Qualified=No, Combined Parameters=TC:Aluminiumelectrolytic;Tol.:-20%/+20%;Vdc:35V, ComponentLink1Description="Vendor WebSite", ComponentLink1URL=http://www.kemet.com, ComponentLink2Description=Datasheet, ComponentLink2URL=http://webnetprod.muc.infineon.com/PCBPortal_Prod/WorkFlows/AltiumComponent/StandardDocumentation?Versionid=646790, ComponentStatus=Released, Manufacturer Order Number=ESY108M035AL4AA, Multible Parts=No, PackageReference=Radial, Part Type=Capacitor, PLMStatus=Active, QuickPick="1mF / 35V / 20% / Aluminiumelectrolytic / Radial", RoHS Compliant=Y, Second Source allowed=Yes, Style=Single, Supplier 1=Farnell, Supplier 2=DigiKey, Supplier 3=Mouser, Supplier Part Number 2=399-6120-ND, Supplier Part Number 3=80-ESY108M035AL4AA, Symbol Type="Capacitor; Single; Polarized; 2 Pins; Pin 1 Positive", Technology=Electrolytic, Tolerance Pos=20%, Type=Polarized, Version Number=V01
C212 C701 C715: library part 699376, "CAP / ELCO / 220uF / 50V / 20% / Aluminiumelectrolytic / -55°C to 105°C / 10.30mm L X 10.30mm W X 10.50mm H / - / -", Manufacturer="Nippon Chemi-Con", Package Description="Capacitor,Aluminum Electrolytic;10.30mm L X 10.30mm W X 10.50mm H", Temperature max=105, Temperature min=-55, Temperature Range=Military, Tolerance Neg=20%, Voltage DC (max)=50V, Alternate View=Yes, Application=Standard, Article Number=699376, Automotive Qualified="AEC Q200", Combined Parameters=TC:Aluminiumelectrolytic;Tol.:-20%/+20%;Vdc:50V, ComponentLink1Description="Vendor WebSite", ComponentLink1URL=http://www.chemi-con.co.jp/e/, ComponentLink2Description=Datasheet, ComponentLink2URL=http://webnetprod.muc.infineon.com/PCBPortal_Prod/WorkFlows/AltiumComponent/StandardDocumentation?Versionid=699377, ComponentStatus=Released, Manufacturer Order Number=EMZL500ARA221MJA0G, Multible Parts=No, PackageReference=EMZL500ARA221MJA0G, Part Type=Capacitor, PLMStatus=Active, QuickPick="220uF / 50V / 20% / Aluminiumelectrolytic / EMZL500ARA221MJA0G", RoHS Compliant=Y, Second Source allowed=Yes, Style=Single, Supplier 1=Farnell, Supplier 2=DigiKey, Supplier 3=Mouser, Supplier Part Number 3=661-EMZL500ARA221MJA, Symbol Type="Capacitor; Single; Polarized; 2 Pins; Pin 1 Positive", Technology=Electrolytic, Tolerance Pos=20%, Type=Polarized, Version Number=V00
C213 C321 C324 C404 C700 C710 C711 C712: library part 648992, "CAP / CERA / 10uF / 50V / 20% / X5R (EIA) / -55°C to 85°C / 1206 (3216) / SMD / -", Manufacturer="Taiyo Yuden", Package Description="Capacitor,non-polarized,Chip;3.20mm L X 1.60mm W X 1.90mm H", Supplier Part Number 1=2779059, Temperature max=85, Temperature min=-55, Temperature Range=Military, Tolerance Neg=20%, Voltage DC (max)=50V, Alternate View=Yes, Application=Standard, Article Number=648992, Automotive Qualified=No, Combined Parameters="TC:X5R (EIA);Tol.:-20%/+20%;Vdc:50V", ComponentLink1Description="Vendor WebSite", ComponentLink1URL=http://www.yuden.co.jp/or/product/, ComponentLink2Description=Datasheet, ComponentLink2URL=http://webnetprod.muc.infineon.com/PCBPortal_Prod/WorkFlows/AltiumComponent/StandardDocumentation?Versionid=648993, ComponentStatus=Released, Manufacturer Order Number=UMK316BBJ106ML-T, Multiple Parts=No, PackageReference="1206 (3216)", Part Type=Capacitor, PLMStatus=Active, QuickPick="10uF / 50V / 20% / X5R (EIA) / 1206 (3216)", RoHS Compliant=Y, Second Source allowed=Yes, Style=Single, Supplier 1=Farnell, Supplier 2=DigiKey, Supplier 3=Mouser, Supplier Part Number 2=587-3248-1-ND, Supplier Part Number 3=963-UMK316BBJ106ML-T, Symbol Type="Capacitor; Single; Standard; 2 Pins", Technology=Ceramic, Tolerance Pos=20%, Type=Standard, Version Number=V00
C220 C300 C310 C320 C400 C401 C402 C500 C505 C520 C530 C533 C540 C560 C561 C630 C811 C813 C814: library part 282874, "CAP / CERA / 100nF / 50V / 10% / X7R (EIA) / -55°C to 125°C / 1206(3216) / SMD / -", Legacy PartNumber=CAP01005660, Manufacturer=MuRata, Package Description="Capacitor,non-polarized,Chip;3.20mm L X 1.60mm W X 1.25mm H", Package Imperial=1206, Package Metric=3216, Temperature max=125, Temperature min=-55, Temperature Range=Military, Tolerance Neg=10%, Voltage DC (max)=50V, Alternate View=Yes, Application=Standard, Article Number=282874, Automotive Qualified=No, Combined Parameters="TC:X7R (EIA);Tol.:-10%/+10%;Vdc:50V", ComponentLink1Description="Vendor WebSite", ComponentLink1URL=http://www.murata.com/, ComponentLink2Description=Datasheet, ComponentLink2URL=http://webnetprod.muc.infineon.com/PCBPortal_Prod/WorkFlows/AltiumComponent/StandardDocumentation?Versionid=282875, ComponentStatus=Released, Legacy DeviceID=CAP01005660, Manufacturer Order Number=GRM31MR71H104KA01, Multiple Parts=No, PackageReference="1206 (3216)", Part Type=Capacitor, PLMStatus=Obsolete, QuickPick="100nF / 50V / 10% / X7R (EIA) / 1206 (3216)", RoHS Compliant=Y, Second Source allowed=Yes, Style=Single, Supplier 1=Farnell, Supplier 2=DigiKey, Supplier 3=Mouser, Symbol Type="Capacitor; Single; Standard; 2 Pins", Technology=Ceramic, Tolerance Pos=10%, Type=Standard, Version Number=V01
C221 C521 C522: library part 280698, "CAP / CERA / 1nF / 50V / 10% / X7R (EIA) / -55°C to 125°C / 1206(3216) / SMD / -", Legacy PartNumber=CAP01005183, Manufacturer=MuRata, Package Description="Capacitor,non-polarized,Chip;3.20mm L X 1.60mm W X 0.95mm H", Package Imperial=1206, Package Metric=3216, Temperature max=125, Temperature min=-55, Temperature Range=Military, Tolerance Neg=10%, Voltage DC (max)=50V, Alternate View=Yes, Application=Standard, Article Number=280698, Automotive Qualified=No, Combined Parameters="TC:X7R (EIA);Tol.:-10%/+10%;Vdc:50V", ComponentLink1Description="Vendor WebSite", ComponentLink1URL=http://www.murata.com/, ComponentLink2Description=Datasheet, ComponentLink2URL=http://webnetprod.muc.infineon.com/PCBPortal_Prod/WorkFlows/AltiumComponent/StandardDocumentation?Versionid=280699, ComponentStatus=Released, Legacy DeviceID=CAP01005183, Manufacturer Order Number=GRM319R71H102KA01, Multiple Parts=No, PackageReference="1206 (3216)", Part Type=Capacitor, PLMStatus=Obsolete, QuickPick="1nF / 50V / 10% / X7R (EIA) / 1206 (3216)", RoHS Compliant=Y, Second Source allowed=Yes, Style=Single, Supplier 1=Farnell, Supplier 2=DigiKey, Supplier 3=Mouser, Symbol Type="Capacitor; Single; Standard; 2 Pins", Technology=Ceramic, Tolerance Pos=10%, Type=Standard, Version Number=V01
C301 C311 C312 C506: library part 279853, "CAP / CERA / 2.2uF / 25V / 10% / X5R (EIA) / -55°C to 85°C / 1206(3216) / SMD / -", Legacy PartNumber=CAP01005015, Manufacturer=MuRata, Package Description="Capacitor,non-polarized,Chip;3.20mm L X 1.60mm W X 0.70mm H", Package Imperial=1206, Package Metric=3216, Temperature max=85, Temperature min=-55, Temperature Range=Military, Tolerance Neg=10%, Voltage DC (max)=25V, Alternate View=Yes, Application=Standard, Article Number=279853, Automotive Qualified=No, Combined Parameters="TC:X5R (EIA);Tol.:-10%/+10%;Vdc:25V", ComponentLink1Description="Vendor WebSite", ComponentLink1URL=http://www.murata.com/, ComponentLink2Description=Datasheet, ComponentLink2URL=http://webnetprod.muc.infineon.com/PCBPortal_Prod/WorkFlows/AltiumComponent/StandardDocumentation?Versionid=279854, ComponentStatus=Released, Legacy DeviceID=CAP01005015, Manufacturer Order Number=GRM316R61E225KA12, Multiple Parts=No, PackageReference="1206 (3216)", Part Type=Capacitor, PLMStatus="Not Recommended For New Designs", QuickPick="2.2uF / 25V / 10% / X5R (EIA) / 1206 (3216)", RoHS Compliant=Y, Second Source allowed=Yes, Style=Single, Supplier 1=Farnell, Supplier 2=DigiKey, Supplier 3=Mouser, Symbol Type="Capacitor; Single; Standard; 2 Pins", Technology=Ceramic, Tolerance Pos=10%, Type=Standard, Version Number=V01
"Current Sense Amp.": library part 687895, "Precision bidirectional current sense amplifier", Manufacturer=STMicroelectronics, Package Description="SOIC,1.27mm pitch;8 pin,3.90mm W X 4.90mm L X 1.75mm H body", Supplier Part Number 1=3864633RL, Temperature max=150, Temperature min=-40, Temperature Range=Automotive, Voltage DC (max)=na, Alternate View=No, Application="Power Electronics", Article Number=687895, Automotive Qualified="AEC Q100", Combined Parameters=Res.:-;Fmax:-, ComponentLink1Description="Vendor WebSite", ComponentLink1URL=http://www.st.com, ComponentLink2Description=Datasheet, ComponentLink2URL=http://webnetprod.muc.infineon.com/PCBPortal_Prod/WorkFlows/AltiumComponent/StandardDocumentation?Versionid=687896, ComponentStatus=Released, Legacy DeviceID=ST_TSC2010HYDT, Manufacturer Order Number=TSC2010HYDT, Multiple Parts=No, PackageReference=SOIC-8, Part Type="Analog Parts", PLMStatus=Active, QuickPick="Amplifier / SOIC-8", RoHS Compliant=Y, Second Source allowed=Yes, Supplier 1=Farnell, Supplier 2=DigiKey, Supplier 3=Mouser, Supplier Part Number 2=497-TSC2010HYDTCT-ND, Supplier Part Number 3=511-TSC2010HYDT, Symbole Type="High Temperature, High Voltage, Precision, Bidirectional Current Sense Amplifier", Type=Amplifier, Version Number=V00
D100 D510 D520 D530 D590 D800 D802 D803: library part 430837, "Silicon Schottky Diode, LS(nH) 1.8, VR 30V", Legacy PartNumber=IFX01401370, Manufacturer="Infineon Technologies", Package Description="SOT,0.95mm pitch;3 pin,1.30mm W X 2.90mm L X 1.10mm H body", Supplier Part Number 1=2725759, Temperature max=150, Temperature min=0, Temperature Range=Military, Voltage DC (max)=na, Application=Standard, Article Number=430837, Automotive Qualified="AEC Q101", Combined Parameters=Vf:800mV;If:200mA;Ur:30V;Ir:2uA;Pmax:230mW, ComponentLink1Description="Vendor WebSite", ComponentLink1URL=https://www.infineon.com/, ComponentLink2Description=Datasheet, ComponentLink2URL=http://webnetprod.muc.infineon.com/PCBPortal_Prod/WorkFlows/AltiumComponent/StandardDocumentation?Versionid=430838, ComponentStatus=Released, Legacy DeviceID=IFX01401370, Manufacturer Order Number=BAT54-05, PackageReference=PG-SOT23-3-11, Part Type=Diode, PLMStatus=Active, QuickPick="Schottky Diode / PG-SOT23-3-11", RoHS Compliant=Y, Second Source allowed=Yes, Style=Dual, Supplier 1=Farnell, Supplier 2=DigiKey, Supplier 3=Mouser, Supplier Part Number 2=BAT5405E6327HTSA1TR-ND, Supplier Part Number 3=726-BAT5405E6327HTSA, Symbol Type="Dual Diode Symbol 3 Pins, 1 Anode, 2 Anode, 3 Cathode", Type="Schottky Diode", Version Number=V01
D112 D113 D320: library part 420617, "Medium Power AF Schottky Diode", Legacy PartNumber=IFX01400145, Manufacturer="Infineon Technologies", Package Description=SOD323, Temperature max=125, Temperature min=-65, Temperature Range=Military, Voltage DC (max)=na, Application=Standard, Article Number=420617, Automotive Qualified="AEC Q101", Combined Parameters=Vf:410mV;If:1A;Ur:30V;Ir:200uA;Pmax:-, ComponentLink1Description="Vendor WebSite", ComponentLink1URL=https://www.infineon.com/, ComponentLink2Description=Datasheet, ComponentLink2URL=http://webnetprod.muc.infineon.com/PCBPortal_Prod/WorkFlows/AltiumComponent/StandardDocumentation?Versionid=420618, ComponentStatus=Released, Legacy DeviceID=IFX01400145, Manufacturer Order Number=BAS3010A-03W, PackageReference=SOD323, Part Type=Diode, PLMStatus=Active, QuickPick="Schottky Diode / SOD323", RoHS Compliant=Y, Second Source allowed=Yes, Style=Single, Supplier 1=Farnell, Supplier 2=DigiKey, Supplier 3=Mouser, Supplier Part Number 2=BAS3010A03WE6327HTSA1TR-ND, Supplier Part Number 3=726-BAS3010A-03WE6, Symbol Type="Standard Schottky Diode Symbol, 1 Cathode, 2 Anode", Type="Schottky Diode", Version Number=V01
D200 D201 D202: library part 659605, "Voltage regulator diodes", Manufacturer=Nexperia, Package Description="SOT,0.95mm,pitch;3 pin,1.30mm W X 2.90mm L X 1.10mm H body", Supplier Part Number 1=1081407, Temperature max=150, Temperature min=-65, Temperature Range=Military, Voltage DC (max)=na, Alternate View=Yes, Application=Standard, Article Number=659605, Automotive Qualified="AEC Q101", Combined Parameters=Vf:900mV;If:10mA;Ur:8V;Ir:100nA;Pmax:250mW, ComponentLink1Description="Vendor WebSite", ComponentLink1URL=http://www.nexperia.com, ComponentLink2Description=Datasheet, ComponentLink2URL=http://webnetprod.muc.infineon.com/PCBPortal_Prod/WorkFlows/AltiumComponent/StandardDocumentation?Versionid=659606, ComponentStatus=Released, Manufacturer Order Number=BZX84-C12,215, Multiple Parts=No, PackageReference=SOT-23, Part Type=Diode, PLMStatus=Active, QuickPick="Zener Diode / SOT-23", RoHS Compliant=Y, Second Source allowed=Yes, Style=Single, Supplier 1=Farnell, Supplier 2=DigiKey, Supplier 3=Mouser, Supplier Part Number 2=1727-2936-1-ND, Supplier Part Number 3=771-BZX84-C12-T/R, Symbol Type="Standard Zener Diode, 3 Pins, 1 Anode, 2 Not Connected, 3 Cathode", Type="Zener Diode", Version Number=V00
D203: library part 644060, "ATL431 Adjustable Precision Shunt Regulator", Manufacturer="Texas Instruments", Package Description="SOT,0.95mm pitch;3 pin,1.30mm W X 2.92mm L X 1.12mm H body", Temperature max=125, Temperature min=-40, Temperature Range=Automotive, Voltage DC (max)=na, Article Number=644060, Automotive Qualified=No, Combined Parameters="- -;Vdc min/max:-;Iout:-;Fmax:-", ComponentLink1Description="Vendor WebSite", ComponentLink1URL=http://www.ti.com, ComponentLink2Description=Datasheet, ComponentLink2URL=http://webnetprod.muc.infineon.com/PCBPortal_Prod/WorkFlows/AltiumComponent/StandardDocumentation?Versionid=644061, ComponentStatus=Released, Legacy DeviceID=TI_ATL431AQDBZR, Manufacturer Order Number=ATL431AQDBZR, PackageReference="SOT23-3 (DBZ)", Part Type="Integrated Circuit", PLMStatus=Active, QuickPick="SOT23-3 (DBZ)", RoHS Compliant=Y, Second Source allowed=Yes, Supplier 1=Farnell, Supplier 2=DigiKey, Supplier 3=Mouser, Supplier Part Number 2=296-47201-1-ND, Supplier Part Number 3=595-ATL431AQDBZR, Symbol Type="TVS Diode Symbol, 1 Cathode, 2 Reference , 3 Anode", Version Number=V01
D210 D502 D503 D504 D550 D741 D801 D804 D805 D806 D807 D808: library part 625459, "WL-SMCW SMT Mono-color Chip LED Waterclear, Red,630nm", Manufacturer="Wurth Elektronik", Package Description="LED,Side Concave; 2 pin,1.60mm W X 0.80mm L X 0.80mm H", Supplier Part Number 1=2322071, Temperature max=85, Temperature min=-40, Temperature Range=Industrial, Voltage DC (max)=na, Application=Standard, Article Number=625459, Automotive Qualified=No, Combined Parameters=Vf:2.4V;If:30mA;Ur:5V;Ir:10uA;Pmax:72mW, ComponentLink1Description="Vendor WebSite", ComponentLink1URL=http://www.we-online.com, ComponentLink2Description=Datasheet, ComponentLink2URL=http://webnetprod.muc.infineon.com/PCBPortal_Prod/WorkFlows/AltiumComponent/StandardDocumentation?Versionid=625460, ComponentStatus=Released, Manufacturer Order Number=150060RS75000, PackageReference="1608 (0603)", Part Type=Diode, PLMStatus=Active, QuickPick="LED / 1608 (0603)", RoHS Compliant=Y, Second Source allowed=Yes, Style=Single, Supplier 1=Farnell, Supplier 2=DigiKey, Supplier 3=Mouser, Supplier Part Number 2=732-4978-1-ND, Supplier Part Number 3=710-150060RS75000, Symbol Type="Standard LED Symbol, 1 Cathode, 2 Anode", Type=LED, Version Number=V01